# Altium PCB ESP32_LED_Matrix_Completed.PcbDoc (part 2 of 2)
Units mm, origin at the board's own origin, x right, y up, seen from the top; angles counter-clockwise.
Board outline 83 x 52.3 mm, 2 copper layers (Top Layer, Bottom Layer), stack 1.671 mm thick; 168 components, 98 nets, 513 pads, 551 vias.
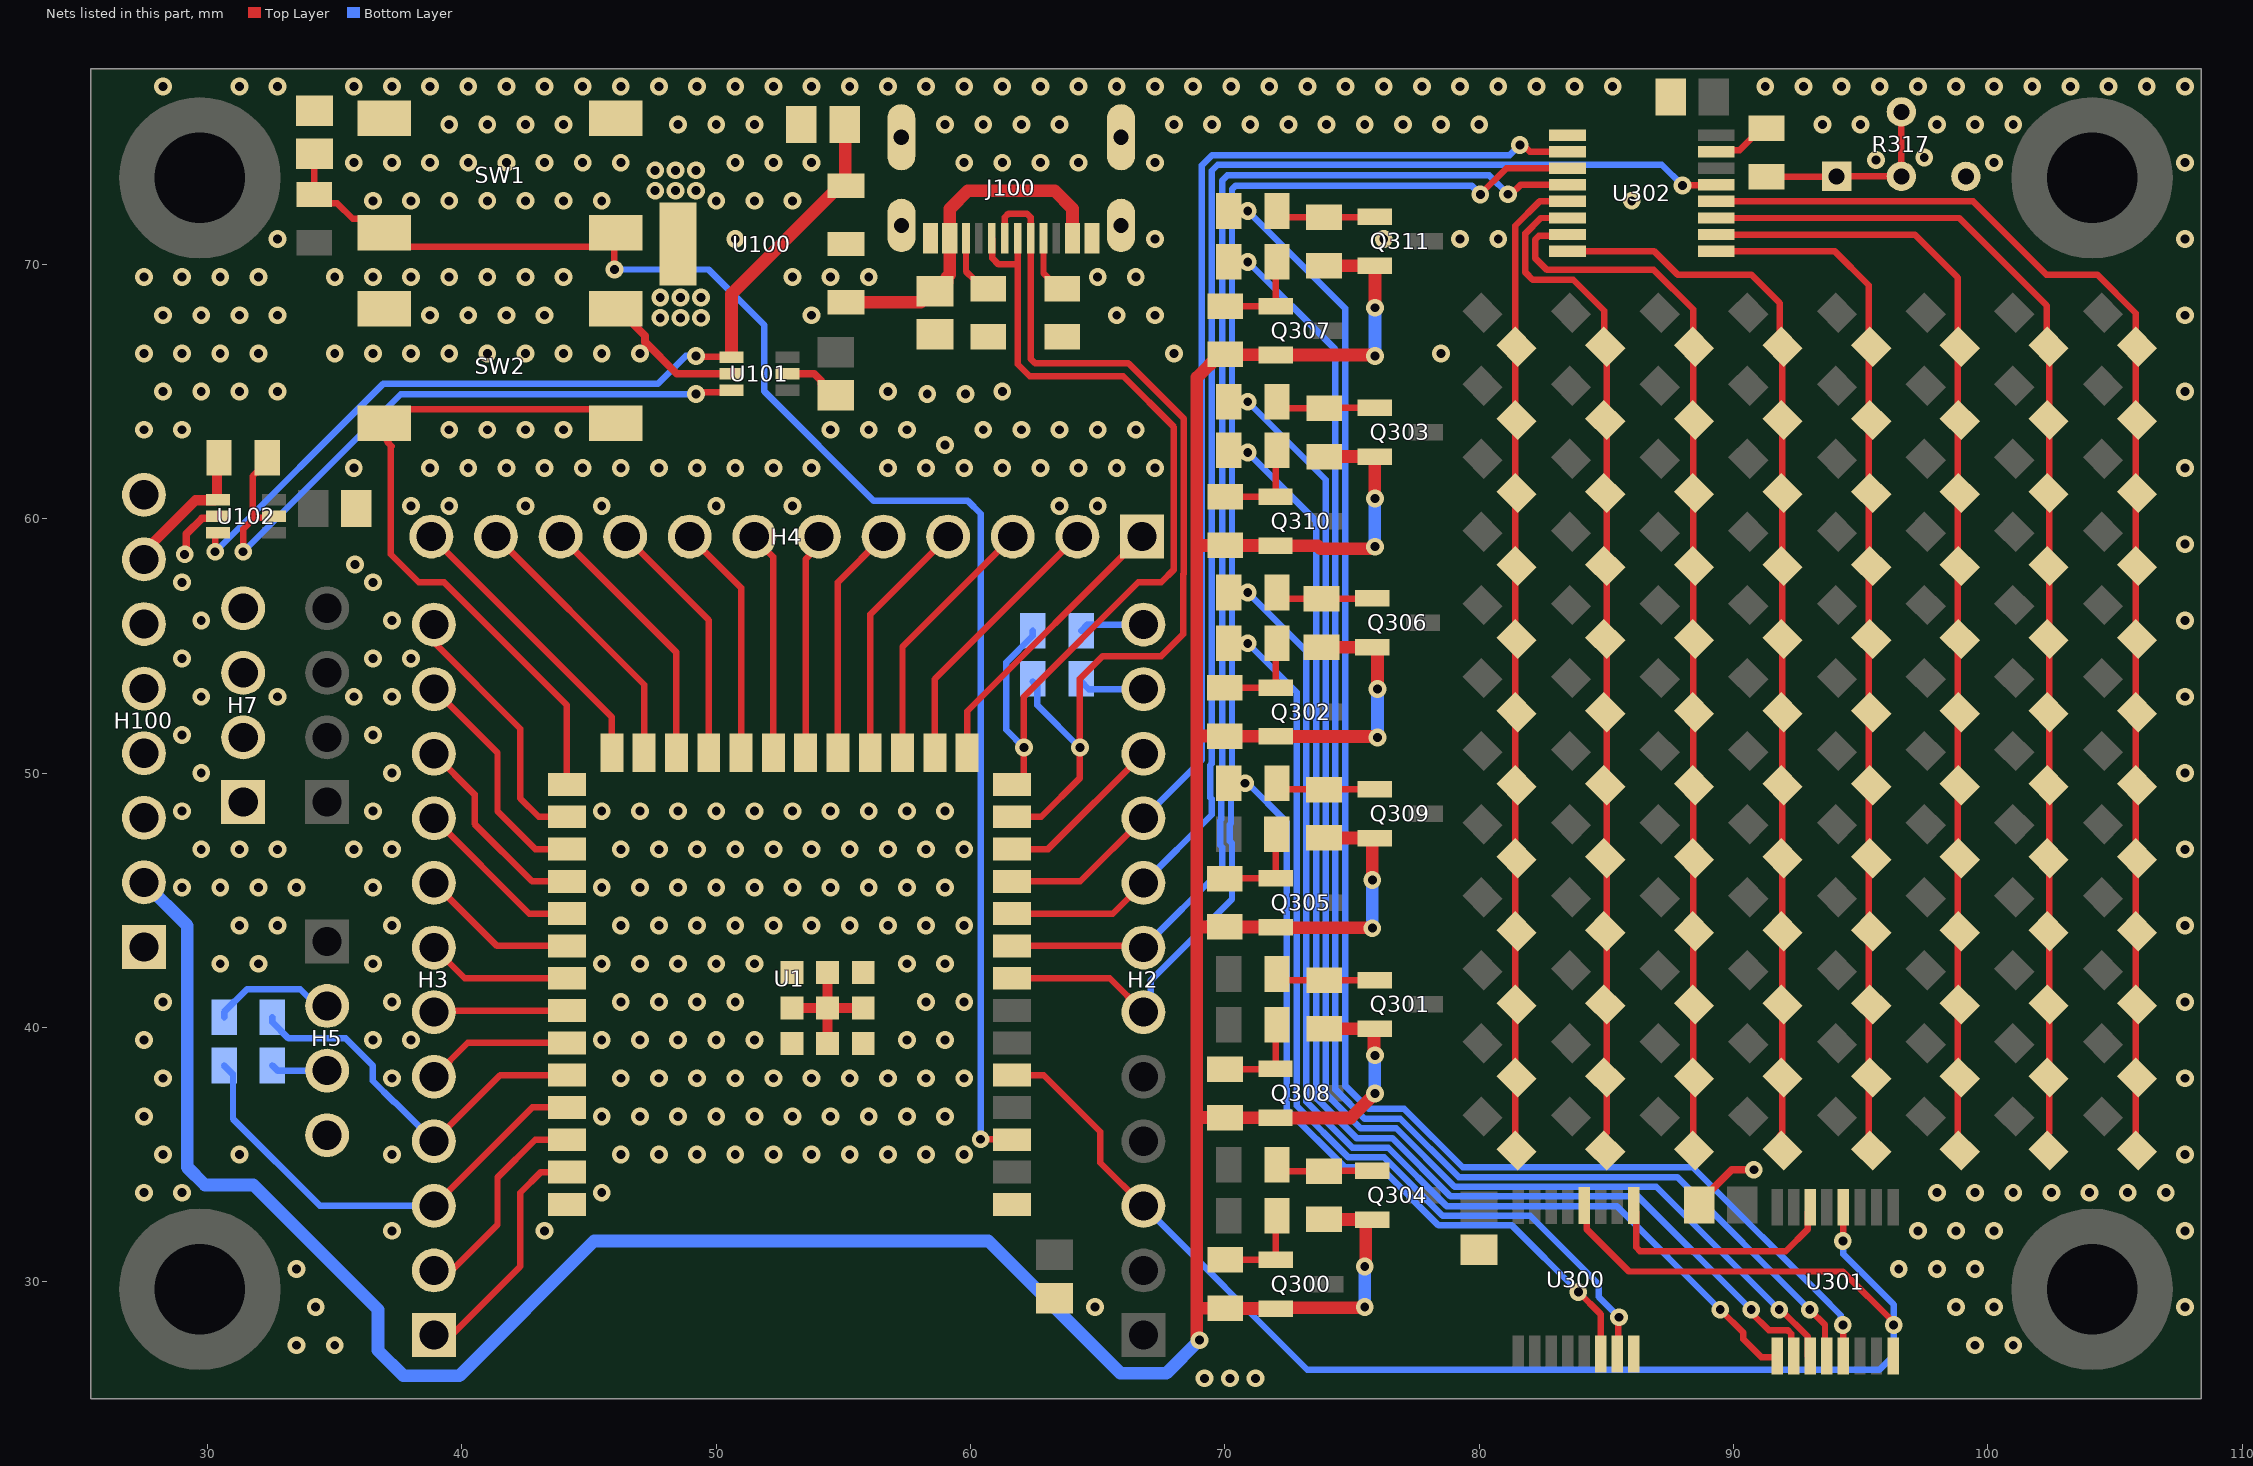
[diagram p2: the nets of this part, all layers, seen from the top]

## Via types
v1: diameter 0.7, hole 0.35, Top Layer to Bottom Layer, tented both sides, 551 vias

## Nets (pads, with @x,y where several pads share a name; then routed paths per layer and width w, separated by ;. In a path a pad name is that pad's centre, name@x,y a point inside that pad or via, vN(x,y) a via of type N, cw(c..) or ccw(c..) an arc to the next point about the centre after c; other vN are vias at no path point) (continued)
COL_SIG5: R323.1 U300.6 | length 31.6
  Top Layer w0.254: R323.1@70.15,49.6 v1(70.8,49.6) ; v1(83.9,29.6) 84.775,28.725 U300.6@84.775,26.975
  Bottom Layer w0.254: v1(70.8,49.6) 70.9,49.6 72.443,48.057 72.443,36.765 74.703,34.505 76.108,34.505 78.403,32.21 81.29,32.21 v1(83.9,29.6)
COL_SIG6: R306.1 U300.7 | length 37.8
  Top Layer w0.254: R306.1@70.15,55.1 v1(70.9,55.1) ; U300.7@85.425,26.975 85.462,27.012 85.462,28.563 v1(85.5,28.6)
  Bottom Layer w0.254: v1(70.9,55.1) 72.824,53.176 72.824,36.923 74.861,34.886 76.266,34.886 78.561,32.591 82.009,32.591 84.7,29.9 84.7,29.4 v1(85.5,28.6)
COL_SIG7: R314.1 U301.1 | length 44.6
  Top Layer w0.254: R314.1@70.15,57.1 v1(70.9,57.1) ; v1(89.479,28.9) 90.393,27.986 90.393,27.74 91.1,27.032 91.627,27.032 91.684,26.975 U301.1@91.725,26.975
  Bottom Layer w0.254: v1(70.9,57.1) 73.205,54.795 73.205,37.081 75.019,35.267 76.424,35.267 78.719,32.972 85.407,32.972 v1(89.479,28.9)
COL_SIG8: R324.1 U301.2 | length 50.9
  Top Layer w0.254: R324.1@70.15,62.7 70.15,62.6 v1(70.9,62.6) ; v1(90.7,28.9) 90.7,28.779 91.383,28.096 92.128,28.096 92.277,27.947 92.277,27.073 U301.2@92.375,26.975
  Bottom Layer w0.254: v1(70.9,62.6) 73.586,59.914 73.586,37.238 75.176,35.648 76.581,35.648 78.876,33.353 86.247,33.353 v1(90.7,28.9)
COL_SIG9: R307.1 U301.3 | length 53
  Top Layer w0.254: R307.1@70.15,64.6 v1(70.9,64.6) ; v1(91.8,28.9) 91.863,28.9 92.927,27.836 92.927,27.073 U301.3@93.025,26.975
  Bottom Layer w0.254: v1(70.9,64.6) 73.967,61.533 73.967,37.396 75.334,36.029 76.739,36.029 79.034,33.734 86.966,33.734 v1(91.8,28.9)
COL_SIG10: R315.1 U301.4 | length 59
  Top Layer w0.254: R315.1@70.15,70.1 v1(70.9,70.1) ; v1(93,28.9) 93.598,28.302 93.598,27.094 U301.4@93.577,27.073
  Bottom Layer w0.254: v1(70.9,70.1) 74.348,66.652 74.348,37.554 75.492,36.41 76.897,36.41 79.192,34.115 87.785,34.115 v1(93,28.9)
COL_SIG11: R325.1 U301.5 | length 61.7
  Top Layer w0.254: R325.1@70.15,72.1 v1(70.9,72.1) ; v1(94.3,28.3) 94.313,28.287 94.313,26.988 U301.5@94.325,26.975
  Bottom Layer w0.254: v1(70.9,72.1) 74.729,68.271 74.729,37.712 75.65,36.791 77.055,36.791 79.35,34.496 88.404,34.496 93.8,29.1 93.8,29.092 94.215,28.677 94.215,28.385 v1(94.3,28.3)
COL_ST_CP: H2.3 U1.5 U300.12 U301.12 | length 61.5
  Top Layer w0.254: U1.5@61.631,38.12 62.88,38.12 65.1,35.9 65.1,34.68 H2.3@66.8,32.98 ; U300.12@84.125,32.825 84.223,32.727 84.223,32.068 85.891,30.4 94.3,30.4 96.3,28.4 v1(96.3,28.3) ; v1(94.3,31.6) 94.313,31.613 94.313,32.812 U301.12@94.325,32.825
  Bottom Layer w0.254: H2.3@66.8,32.98 73.242,26.538 95.738,26.538 96.3,27.1 v1(96.3,28.3) 96.3,29.1 94.313,31.087 94.313,31.587 v1(94.3,31.6)
EXT_SUPP_EN: R102.1 U101.3 U102.5 | length 26.7
  Top Layer w0.254: v1(31.4,58.7) 31.4,59.6 31.835,60.035 ; R102.1@32.35,62.4 32.35,62.2 31.977,61.827 31.92,61.827 31.771,61.678 31.771,60.098 31.835,60.035 ; U102.5@32.5,60.1 32.435,60.035 31.835,60.035 ; v1(49.2,64.9) 49.275,64.975 50.525,64.975 U101.3@50.6,65.05
  Bottom Layer w0.254: v1(31.4,58.7) 37.6,64.9 v1(49.2,64.9)
GND: C2.2 C3.2 C100.2 C101.2 C102.2 C103.2 C300.2 C301.2 C302.2 H5.4 H7.1 H7.2 H7.3 H7.4 H100.1 H100.3 H100.5 H100.6 H100.8 J100.1 J100.2 J100.3 J100.14 J100.15 J100.16 R100.1 R101.1 R317.3 SW1.1 SW1.2 SW2.1 SW2.2 U1.1 U1.40 U1.41 U1.42 U1.43 U1.44 U1.45 U1.46 U1.47 U1.48 U1.49 U100.2 U100.4 U101.2 U101.5 U102.2 U300.8 U301.8 U302.1 | length 18.7
  Top Layer w0.3: v1(29.1,58.6) 29.158,58.658 29.158,59.4 29.783,60.025 30.225,60.025 U102.2@30.3,60.1 ; SW2.2@46.05,68.25 46.139,68.25 47.2,67.189 47.2,66.95 48.45,65.7 U101.2@50.6,65.7 ; U101.5@52.8,65.7 53.85,65.7 54.125,65.425 54.125,65.3 54.575,64.85 C103.2@54.7,64.85 ; C301.2@88.65,33 88.65,33.125 89.925,34.4 v1(90.8,34.4)
  Top Layer w0.4: U1.48@52.981,40.76 U1.41@54.381,40.76 ; U1.42@54.381,39.36 U1.41@54.381,40.76 ; U1.46@54.381,42.16 U1.41@54.381,40.76 ; U1.44@55.781,40.76 U1.41@54.381,40.76
  other v1: 69.2,26.2 70.2,26.2 71.2,26.2 33.5,27.5 35,27.5 99.5,27.5 101,27.5 34.25,29 64.9,29 98.75,29 100.25,29 107.75,29 33.5,30.5 96.5,30.5 98,30.5 99.5,30.5 37.25,32 43.25,32 97.25,32 98.75,32 100.25,32 107.75,32 27.5,33.5 29,33.5 45.5,33.5 98,33.5 99.5,33.5 101,33.5 102.5,33.5 104,33.5 105.5,33.5 107,33.5 28.25,35 31.25,35 37.25,35 46.25,35 47.75,35 49.25,35 50.75,35 52.25,35 53.75,35 55.25,35 56.75,35 58.25,35 59.75,35 107.75,35 27.5,36.5 45.5,36.5 47,36.5 48.5,36.5 50,36.5 51.5,36.5 53,36.5 54.5,36.5 56,36.5 57.5,36.5 59,36.5 28.25,38 37.25,38 46.25,38 47.75,38 49.25,38 50.75,38 52.25,38 53.75,38 55.25,38 56.75,38 58.25,38 59.75,38 107.75,38 27.5,39.5 36.5,39.5 38,39.5 45.5,39.5 47,39.5 48.5,39.5 50,39.5 51.5,39.5 57.5,39.5 59,39.5 28.25,41 37.25,41 46.25,41 47.75,41 49.25,41 50.75,41 58.25,41 59.75,41 107.75,41 30.5,42.5 32,42.5 36.5,42.5 45.5,42.5 47,42.5 48.5,42.5 50,42.5 51.5,42.5 57.5,42.5 59,42.5 31.25,44 32.75,44 37.25,44 46.25,44 47.75,44 49.25,44 50.75,44 52.25,44 53.75,44 55.25,44 56.75,44 58.25,44 59.75,44 107.75,44 29,45.5 30.5,45.5 32,45.5 33.5,45.5 36.5,45.5 45.5,45.5 47,45.5 48.5,45.5 50,45.5 51.5,45.5 53,45.5 54.5,45.5 56,45.5 57.5,45.5 59,45.5 29.75,47 31.25,47 32.75,47 35.75,47 37.25,47 46.25,47 47.75,47 49.25,47 50.75,47 52.25,47 53.75,47 55.25,47 56.75,47 58.25,47 59.75,47 107.75,47 29,48.5 36.5,48.5 45.5,48.5 47,48.5 48.5,48.5 50,48.5 51.5,48.5 53,48.5 54.5,48.5 56,48.5 57.5,48.5 59,48.5 29.75,50 37.25,50 107.75,50 29,51.5 36.5,51.5 29.75,53 32.75,53 35.75,53 37.25,53 107.75,53 29,54.5 36.5,54.5 38,54.5 29.75,56 37.25,56 107.75,56 29,57.5 36.5,57.5 35.8,58.2 107.75,59 38,60.5 39.5,60.5 42.5,60.5 45.5,60.5 50,60.5 53,60.5 63.5,60.5 65,60.5 35.75,62 38.75,62 40.25,62 41.75,62 43.25,62 44.75,62 46.25,62 47.75,62 49.25,62 50.75,62 52.25,62 53.75,62 56.75,62 58.25,62 59.75,62 61.25,62 62.75,62 64.25,62 65.75,62 67.25,62 107.75,62 59,62.9 27.5,63.5 29,63.5 39.5,63.5 41,63.5 42.5,63.5 44,63.5 54.5,63.5 56,63.5 57.5,63.5 60.5,63.5 62,63.5 63.5,63.5 65,63.5 66.5,63.5 58.3,64.9 59.8,64.9 28.25,65 29.75,65 31.25,65 32.75,65 56.75,65 61.25,65 107.75,65 27.5,66.5 29,66.5 30.5,66.5 32,66.5 35,66.5 36.5,66.5 38,66.5 39.5,66.5 41,66.5 42.5,66.5 44,66.5 45.5,66.5 47,66.5 68,66.5 78.5,66.5 47.8,67.9 48.6,67.9 49.4,67.9 28.25,68 29.75,68 31.25,68 32.75,68 38.75,68 40.25,68 41.75,68 43.25,68 53.75,68 65.75,68 67.25,68 107.75,68 47.8,68.7 48.6,68.7 49.4,68.7 27.5,69.5 29,69.5 30.5,69.5 32,69.5 35,69.5 36.5,69.5 38,69.5 39.5,69.5 41,69.5 42.5,69.5 44,69.5 53,69.5 54.5,69.5 56,69.5 65,69.5 66.5,69.5 32.75,71 50.75,71 67.25,71 76.25,71 79.25,71 80.75,71 107.75,71 36.5,72.5 38,72.5 39.5,72.5 41,72.5 42.5,72.5 44,72.5 45.5,72.5 50,72.5 51.5,72.5 53,72.5 86,72.5 47.6,72.9 48.4,72.9 49.2,72.9 47.6,73.7 48.4,73.7 49.2,73.7 35.75,74 37.25,74 38.75,74 40.25,74 41.75,74 43.25,74 44.75,74 46.25,74 50.75,74 52.25,74 53.75,74 59.75,74 61.25,74 62.75,74 64.25,74 67.25,74 100.25,74 107.75,74 95.6,74.1 97.5,74.2 39.5,75.5 41,75.5 42.5,75.5 44,75.5 48.5,75.5 50,75.5 51.5,75.5 59,75.5 60.5,75.5 62,75.5 63.5,75.5 68,75.5 69.5,75.5 71,75.5 72.5,75.5 74,75.5 75.5,75.5 77,75.5 78.5,75.5 80,75.5 93.5,75.5 95,75.5 98,75.5 99.5,75.5 101,75.5 28.25,77 31.25,77 32.75,77 35.75,77 37.25,77 38.75,77 40.25,77 41.75,77 43.25,77 44.75,77 46.25,77 47.75,77 49.25,77 50.75,77 52.25,77 53.75,77 55.25,77 56.75,77 58.25,77 59.75,77 61.25,77 62.75,77 64.25,77 65.75,77 67.25,77 68.75,77 70.25,77 71.75,77 73.25,77 74.75,77 76.25,77 77.75,77 79.25,77 80.75,77 82.25,77 83.75,77 85.25,77 91.25,77 92.75,77 94.25,77 95.75,77 97.25,77 98.75,77 100.25,77 101.75,77 103.25,77 104.75,77 106.25,77 107.75,77
GPIO1: H3.1 U1.39 | length 9.9
  Top Layer w0.254: H3.1@38.9,27.2 42.3,30.6 42.3,33.5 43.11,34.31 U1.39@44.131,34.31
GPIO2: H3.2 U1.38 | length 8.7
  Top Layer w0.254: H3.2@38.9,29.74 41.4,32.24 41.4,34.1 42.88,35.58 U1.38@44.131,35.58
GPIO3: H4.1 U1.15 | length 11.3
  Top Layer w0.254: U1.15@59.866,50.8 59.866,52.426 H4.1@66.74,59.3
GPIO8: H2.10 U1.12 | length 6.7
  Top Layer w0.254: U1.12@61.631,47.01 63.05,47.01 H2.10@66.8,50.76
GPIO9: H4.3 U1.17 | length 10.3
  Top Layer w0.254: U1.17@57.326,50.8 57.326,54.966 H4.3@61.66,59.3
GPIO10: H4.4 U1.18 | length 9.8
  Top Layer w0.254: U1.18@56.056,50.8 56.056,56.236 H4.4@59.12,59.3
GPIO11: H4.5 U1.19 | length 9.2
  Top Layer w0.254: U1.19@54.786,50.8 54.786,57.506 H4.5@56.58,59.3
GPIO12: H4.6 U1.20 | length 8.7
  Top Layer w0.254: U1.20@53.516,50.8 53.516,58.416 54.04,58.94 H4.6@54.04,59.3
GPIO13: H4.7 U1.21 | length 8.8
  Top Layer w0.254: H4.7@51.5,59.3 51.5,59.244 52.246,58.498 U1.21@52.246,50.8
GPIO14: H4.8 U1.22 | length 9.3
  Top Layer w0.254: H4.8@48.96,59.3 50.976,57.284 U1.22@50.976,50.8
GPIO15: H2.6 U1.8 U302.3 | length 53.4
  Top Layer w0.254: U1.8@61.631,41.93 65.47,41.93 H2.6@66.8,40.6 ; v1(80.045,72.755) 81.066,73.775 U302.3@83.475,73.775
  Bottom Layer w0.254: H2.6@66.8,40.6 67.081,40.881 67.081,41.842 70.281,45.042 70.281,47.239 70.196,47.324 70.196,47.974 70.243,48.021 70.243,49.303 70.196,49.35 70.196,49.999 70.281,50.085 70.281,72.951 70.43,73.1 79.7,73.1 v1(80.045,72.755)
GPIO16: H2.7 U1.9 U302.4 | length 50.9
  Top Layer w0.254: U1.9@61.631,43.2 66.74,43.2 H2.7@66.8,43.14 ; v1(81.14,72.76) 81.261,72.76 81.626,73.125 U302.4@83.475,73.125
  Bottom Layer w0.254: H2.7@66.8,43.14 69.9,46.24 69.9,47.081 69.815,47.167 69.815,48.132 69.862,48.179 69.862,49.145 69.815,49.192 69.815,50.157 69.9,50.242 69.9,73.3 70.1,73.5 80.4,73.5 v1(81.14,72.76)
GPIO17: H2.8 U1.10 U302.13 | length 55.1
  Top Layer w0.254: U1.10@61.631,44.47 65.59,44.47 H2.8@66.8,45.68 ; v1(88,73.1) 88.012,73.113 89.313,73.113 U302.13@89.325,73.125
  Bottom Layer w0.254: H2.8@66.8,45.68 69.481,48.361 69.481,48.987 69.434,49.034 69.434,50.315 69.481,50.362 69.481,73.681 69.719,73.919 87.181,73.919 v1(88,73.1)
GPIO18: H2.9 U1.11 U302.2 | length 47.6
  Top Layer w0.254: U1.11@61.631,45.74 64.32,45.74 H2.9@66.8,48.22 ; v1(81.6,74.7) 81.721,74.7 81.996,74.425 U302.2@83.475,74.425
  Bottom Layer w0.254: H2.9@66.8,48.22 69.1,50.52 69.1,73.9 69.5,74.3 81.2,74.3 v1(81.6,74.7)
GPIO19: H2.11 R3.1 | length 2.6
  Bottom Layer w0.254: R3.1@64.35,53.6 64.65,53.3 H2.11@66.8,53.3
GPIO20: H2.12 R4.1 | length 2.5
  Bottom Layer w0.254: R4.1@64.35,55.6 64.59,55.84 H2.12@66.8,55.84
GPIO21: H4.9 U1.23 | length 9.9
  Top Layer w0.254: H4.9@46.42,59.3 49.706,56.014 U1.23@49.706,50.8
GPIO35: H3.12 U1.28 | length 9.7
  Top Layer w0.254: H3.12@38.9,55.14 42.3,51.74 42.3,49 43.02,48.28 U1.28@44.131,48.28
GPIO36: H3.11 U1.29 | length 9.2
  Top Layer w0.254: H3.11@38.9,53.3 41.4,50.8 41.4,48.5 42.89,47.01 U1.29@44.131,47.01
GPIO37: H3.10 U1.30 | length 8
  Top Layer w0.254: H3.10@38.9,50.76 40.5,49.16 40.5,48 42.76,45.74 U1.30@44.131,45.74
GPIO38: H3.9 U1.31 | length 6.8
  Top Layer w0.254: H3.9@38.9,48.22 42.65,44.47 U1.31@44.131,44.47
GPIO39: H3.8 U1.32 | length 6.3
  Top Layer w0.254: H3.8@38.9,45.68 41.38,43.2 U1.32@44.131,43.2
GPIO40: H3.7 U1.33 | length 5.7
  Top Layer w0.254: H3.7@38.9,43.14 40.11,41.93 U1.33@44.131,41.93
GPIO41: H3.6 U1.34 | length 5.3
  Top Layer w0.254: H3.6@38.9,40.6 38.96,40.66 U1.34@44.131,40.66
GPIO42: H3.5 U1.35 | length 5.8
  Top Layer w0.254: H3.5@38.9,38.06 40.23,39.39 U1.35@44.131,39.39
GPIO45: H4.12 U1.26 | length 11.4
  Top Layer w0.254: H4.12@38.8,59.3 45.896,52.204 U1.26@45.896,50.8
GPIO46: H4.2 U1.16 | length 10.8
  Top Layer w0.254: U1.16@58.596,50.8 58.596,53.696 H4.2@64.2,59.3
GPIO47: H4.10 U1.24 | length 10.4
  Top Layer w0.254: H4.10@43.88,59.3 48.436,54.744 U1.24@48.436,50.8
GPIO48: H4.11 U1.25 | length 10.9
  Top Layer w0.254: H4.11@41.34,59.3 47.166,53.474 U1.25@47.166,50.8
MCU_BOOT: SW2.3 SW2.4 U1.27 | length 28.2
  Top Layer w0.254: U1.27@44.131,49.55 44.131,52.669 39.3,57.5 38.3,57.5 37.2,58.6 37.2,62.8 37.246,62.846 37.097,62.995 37.024,63.122 36.95,63.196 SW2.3@36.95,63.75 37.5,64.3 45.5,64.3 SW2.4@46.05,63.75 ; SW2.4@46,63.8 SW2.4@46.6,63.2
MCU_EN: C3.1 R14.2 SW1.3 SW1.4 U1.3 | length 62
  Top Layer w0.254: C3.1@34.2,74.35 R14.2@34.2,72.75 34.54,72.41 35.09,72.41 35.71,71.79 36.41,71.79 SW1.3@36.95,71.25 ; SW1.3@36.3,70.7 45.6,70.7 SW1.4@46,71.1 ; v1(46,69.8) SW1.4@46,71.1 ; SW1.4@46.1,71.2 SW1.4@46,71.1 ; v1(60.4,35.6) 61.611,35.6 U1.3@61.631,35.58
  Bottom Layer w0.254: v1(46,69.8) 49.7,69.8 51.896,67.604 51.896,65.004 56.2,60.7 59.9,60.7 60.4,60.2 v1(60.4,35.6)
NetC101_1: C101.1 J100.4 J100.13 U100.1 | length 13.8
  Top Layer w0.5: U100.1@55.1,68.51 58.035,68.51 58.475,68.95 58.725,68.95 59.075,69.3 59.075,69.49 59.178,69.593 59.178,69.853 59.187,69.862 59.187,72.187 59.9,72.9 63.3,72.9 64.013,72.187 J100.13@64.013,71.025
NetH5_2: H5.2 R1.2 | length 4.9
  Bottom Layer w0.254: R1.2@30.65,40.4 30.65,40.6 31.55,41.5 33.642,41.5 34.302,40.84 H5.2@34.7,40.84 H5.2@34.666,40.806
NetH5_3: H5.3 R2.2 | length 2.2
  Bottom Layer w0.254: R2.2@32.55,38.5 32.75,38.3 H5.3@34.7,38.3
NetJ100_5: J100.5 R100.2 | length 2.5
  Top Layer w0.254: J100.5@59.822,71.025 59.822,69.723 60.122,69.423 60.327,69.423 R100.2@60.7,69.05
NetJ100_11: J100.11 R101.2 | length 2.5
  Top Layer w0.254: J100.11@62.87,71.187 62.87,69.653 63.473,69.05 R101.2@63.6,69.05
NetQ300_1: Q300.1 R300.2 R304.2 | length 3.8
  Top Layer w0.254: R300.2@70,30.85 R300.2@70.01,30.86 Q300.1@72,30.86 72,32.55 R304.2@72.05,32.6
NetQ301_1: Q301.1 R301.2 R305.2 | length 4.1
  Top Layer w0.254: R305.2@72.05,42.1 72,42.05 72.2,41.85 73.8,41.85 73.9,41.85 R301.2@73.905,41.845 ; R301.2@73.71,41.86 Q301.1@75.7,41.86
NetQ302_1: Q302.1 R302.2 R306.2 | length 3.7
  Top Layer w0.254: R302.2@70.01,53.36 Q302.1@72,53.36 R306.2@72,55.05
NetQ303_1: Q303.1 R303.2 R307.2 | length 3.9
  Top Layer w0.254: R307.2@72.15,64.6 72.4,64.35 R303.2@74,64.35 ; R303.2@73.91,64.36 Q303.1@75.9,64.36
NetQ304_1: Q304.1 R308.2 R312.2 | length 3.9
  Top Layer w0.254: R312.2@72.05,34.6 72.3,34.35 R308.2@73.9,34.35 ; R308.2@73.9,34.36 Q304.1@75.8,34.36
NetQ305_1: Q305.1 R309.2 R313.2 | length 3.7
  Top Layer w0.254: R309.2@70.01,45.86 Q305.1@72,45.86 72,47.446 72,47.554 R313.2@72.046,47.6
NetQ306_1: Q306.1 R310.2 R314.2 | length 3.9
  Top Layer w0.254: R314.2@72.05,57.1 72.3,56.85 R310.2@73.9,56.85 ; R310.2@73.81,56.86 Q306.1@75.8,56.86
NetQ307_1: Q307.1 R311.2 R315.2 | length 3.7
  Top Layer w0.254: R311.2@70.01,68.36 72,68.36 R315.2@72,70.05
NetQ308_1: Q308.1 R318.2 R322.2 | length 3.8
  Top Layer w0.254: R318.2@70.01,38.36 Q308.1@72,38.36 ; Q308.1@71.995,38.365 Q308.1@72,38.36 ; R322.2@72.05,40.1 72,40.05 72,39.8 Q308.1@72,38.36
NetQ309_1: Q309.1 R319.2 R323.2 | length 4.1
  Top Layer w0.254: R323.2@72.05,49.6 72.05,49.4 72.09,49.36 R319.2@73.9,49.36 ; R319.2@73.9,49.35 R319.2@73.9,49.36 ; Q309.1@75.9,49.36 R319.2@73.9,49.36
NetQ310_1: Q310.1 R320.2 R324.2 | length 3.9
  Top Layer w0.254: R320.2@70.01,60.86 72,60.86 72,62.65 R324.2@72.05,62.7
NetQ311_1: Q311.1 R321.2 R325.2 | length 3.9
  Top Layer w0.254: R325.2@72.05,72.1 72.29,71.86 Q311.1@75.9,71.86
NetR316_1: R316.1 U302.15 | length 2.4
  Top Layer w0.254: U302.15@89.325,74.425 89.39,74.49 90.24,74.49 91.1,75.35 R316.1@91.3,75.35
NetR316_2: R316.2 R317.1 R317.2 | length 7.8
  Top Layer w0.254: R316.2@91.3,73.45 93.85,73.45 R317.1@94.05,73.45 ; R317.1@94.06,73.46 R317.2@96.6,73.46 R317.2@96.6,76
NetU300_9: U300.9 U301.14 | length 9.5
  Top Layer w0.254: U300.9@86.075,32.825 86.173,32.727 86.173,31.349 86.322,31.2 92.059,31.2 92.927,32.068 92.927,32.727 U301.14@93.025,32.825
ROW0: D200.1 D201.1 D202.1 D203.1 D204.1 D205.1 D206.1 D207.1 D208.1 D209.1 D210.1 D211.1 U302.5 | length 39
  Top Layer w0.254: D200.1@81.472,35.128 81.419,35.181 81.419,66.206 81.525,66.312 81.525,66.875 81.419,66.981 81.419,71.519 82.375,72.475 U302.5@83.475,72.475
ROW1: D212.1 D213.1 D214.1 D215.1 D216.1 D217.1 D218.1 D219.1 D220.1 D221.1 D222.1 D223.1 U302.6 | length 40.9
  Top Layer w0.254: U302.6@84.006,71.825 82.425,71.825 81.819,71.219 81.819,69.681 82.1,69.4 83.7,69.4 84.919,68.181 84.919,66.981 84.972,66.928 85.025,66.875 85.025,63.984 85.025,61.093 85.025,58.202 85.025,55.312 85.025,52.421 85.025,49.53 85.025,46.639 85.025,43.748 85.025,40.857 85.025,37.966 85.025,35.85 84.919,35.744 84.919,35.181 D212.1@84.972,35.128
ROW2: D224.1 D225.1 D226.1 D227.1 D228.1 D229.1 D230.1 D231.1 D232.1 D233.1 D234.1 D235.1 U302.7 | length 42.4
  Top Layer w0.254: U302.7@83.475,71.175 83.42,71.12 82.349,71.12 82.2,70.972 82.2,70.249 82.668,69.781 86.87,69.781 88.419,68.232 88.419,66.981 88.472,66.928 88.525,66.875 88.525,66.312 88.419,66.206 88.419,35.181 D224.1@88.472,35.128
ROW3: D236.1 D237.1 D238.1 D239.1 D240.1 D241.1 D242.1 D243.1 D244.1 D245.1 D246.1 D247.1 U302.8 | length 42.7
  Top Layer w0.254: U302.8@83.475,70.525 86.875,70.525 87.8,69.6 90.7,69.6 91.819,68.481 91.819,66.981 91.872,66.928 91.925,66.875 91.925,58.256 91.925,52.474 91.925,35.85 91.819,35.744 91.819,35.181 D236.1@91.872,35.128
ROW4: D248.1 D249.1 D250.1 D251.1 D252.1 D253.1 D254.1 D255.1 D256.1 D257.1 D258.1 D259.1 U302.9 | length 40.7
  Top Layer w0.254: U302.9@89.325,70.525 93.975,70.525 95.319,69.181 95.319,66.981 95.372,66.928 95.425,66.875 95.425,66.312 95.319,66.206 95.319,64.037 95.319,55.365 95.319,49.583 95.319,35.181 D248.1@95.372,35.128
ROW5: D260.1 D261.1 D262.1 D263.1 D264.1 D265.1 D266.1 D267.1 D268.1 D269.1 D270.1 D271.1 U302.10 | length 44.7
  Top Layer w0.254: U302.10@89.325,71.175 97.125,71.175 98.819,69.481 98.819,66.981 98.872,66.928 98.925,66.875 98.925,66.312 98.819,66.206 98.819,64.037 98.819,55.365 98.819,49.583 98.819,35.181 D260.1@98.872,35.128
ROW6: D272.1 D273.1 D274.1 D275.1 D276.1 D277.1 D278.1 D279.1 D280.1 D281.1 D282.1 D283.1 U302.11 | length 47.8
  Top Layer w0.254: U302.11@89.325,71.825 98.875,71.825 102.319,68.381 102.319,66.981 102.372,66.928 102.425,66.875 102.425,55.365 102.425,49.583 102.425,35.85 102.319,35.744 102.319,35.181 D272.1@102.372,35.128
ROW7: D284.1 D285.1 D286.1 D287.1 D288.1 D289.1 D290.1 D291.1 D292.1 D293.1 D294.1 D295.1 U302.12 | length 51.2
  Top Layer w0.254: U302.12@89.325,72.475 99.425,72.475 102.3,69.6 104.302,69.6 105.819,68.083 105.819,61.013 105.819,52.394 105.819,49.52 105.819,43.774 D284.1@105.819,35.155
UPDI_RX: H3.4 R1.1 U1.36 | length 15.2
  Top Layer w0.254: H3.4@38.9,35.52 41.5,38.12 U1.36@44.131,38.12
  Bottom Layer w0.254: R1.1@32.55,40.4 32.55,40.2 33.187,39.563 35.437,39.563 36.5,38.5 36.5,37.896 37.333,37.063 37.357,37.063 H3.4@38.9,35.52
UPDI_TX: H3.3 R2.1 U1.37 | length 18.4
  Top Layer w0.254: H3.3@38.9,32.98 40.5,34.58 42.77,36.85 U1.37@44.131,36.85
  Bottom Layer w0.254: R2.1@30.65,38.5 31,38.15 31,36.4 34.42,32.98 H3.3@38.9,32.98
USB_D_N: J100.8 J100.10 R3.2 U1.13 | length 38.4
  Top Layer w0.254: J100.8@61.346,71.025 61.346,71.851 61.495,72 62.213,72 62.362,71.851 J100.10@62.362,71.025 62.362,66.287 62.537,66.112 66.211,66.112 68.381,63.942 68.381,57.842 68.365,57.826 68.365,55.465 67.5,54.6 65.2,54.6 64.303,53.703 64.303,49.803 62.78,48.28 U1.13@61.631,48.28
  Bottom Layer w0.254: R3.2@62.45,53.6 62.632,53.418 62.632,52.668 v1(64.3,51)
USB_D_P: J100.7 J100.9 R4.2 U1.14 | length 36.6
  Top Layer w0.254: J100.7@60.838,71.025 60.861,71.002 60.861,70.239 61.1,70 61.854,70 ; U1.14@61.631,49.55 61.777,49.55 62.1,49.873 v1(62.1,51) 62.1,53 66.6,57.5 67.5,57.5 68,58 68,63.604 66,65.604 62.326,65.604 61.854,66.076 61.854,70 ; J100.9@61.854,71.025 61.854,70
  Bottom Layer w0.254: v1(62.1,51) 61.4,51.7 61.4,54.35 62.45,55.4 R4.2@62.45,55.6
USB_SUPP_EN: C102.1 U100.3 U101.1 U102.3 | length 35.2
  Top Layer w0.254: v1(30.3,58.7) U102.3@30.3,59.45 ; v1(49.2,66.4) 49.225,66.375 50.575,66.375 U101.1@50.6,66.35
  Top Layer w0.5: 50.6,66.6 50.6,68.84 54.85,73.09 U100.3@55.1,73.09 55.075,73.115 55.075,75.475 C102.1@55.05,75.5
  Bottom Layer w0.254: v1(30.3,58.7) 36.9,65.3 47.7,65.3 48.8,66.4 v1(49.2,66.4)
V_MCU: H100.7 R102.2 U102.1 | length 5.7
  Top Layer w0.4: H100.7@27.5,58.4 27.5,58.7 29.525,60.725 30.275,60.725 30.3,60.75 30.35,60.75 30.375,60.775 30.375,62.325 R102.2@30.45,62.4
VCC_1: H100.2 Q300.2 Q301.2 Q302.2 Q303.2 Q304.2 Q305.2 Q306.2 Q307.2 Q308.2 Q309.2 Q310.2 Q311.2 R300.1 R301.1 R302.1 R303.1 R308.1 R309.1 R310.1 R311.1 R318.1 R319.1 R320.1 R321.1 | length 173.3
  Top Layer w0.5: v1(69,27.7) 69,27.754 68.9,27.854 68.9,28.95 ; R318.1@69.995,36.455 68.9,36.455 ; R302.1@69.995,51.455 68.9,51.455 ; R318.1@70,36.45 R318.1@70.005,36.445 Q308.2@71.995,36.445 72,36.44 74.946,36.44 v1(75.9,37.395) ; R302.1@70,51.45 70.005,51.445 71.995,51.445 Q302.2@72,51.44 ; Q300.2@72,28.94 Q300.2@71.998,28.942 ; Q307.2@72,66.44 71.995,66.445 70.005,66.445 70,66.45 69.8,66.45 68.9,65.55 68.9,58.95 ; Q307.2@72.003,66.437 v1@75.862,66.437 ; Q302.2@72.1,51.44 v1@75.96,51.44 ; R310.1@73.8,54.95 73.805,54.945 Q306.2@75.795,54.945 Q306.2@75.8,54.94 ; R308.1@73.9,32.45 73.905,32.445 75.795,32.445 Q304.2@75.798,32.442 ; R301.1@73.9,39.95 R301.1@73.905,39.945 75.695,39.945 Q301.2@75.7,39.94 ; R319.1@73.9,47.45 73.905,47.445 75.895,47.445 Q309.2@75.9,47.44 ; R303.1@73.9,62.45 R303.1@73.905,62.445 75.895,62.445 Q303.2@75.9,62.44 v1(75.9,60.8) ; R321.1@73.9,69.95 73.905,69.945 Q311.2@75.895,69.945 Q311.2@75.9,69.94 ; v1(75.5,29) 75.47,28.97 72.025,28.97 Q300.2@71.998,28.942 ; v1(75.5,30.6) 75.538,30.638 75.538,32.365 75.616,32.442 Q304.2@75.798,32.442 ; v1@75.76,43.94 75.74,43.92 72.02,43.92 Q305.2@72,43.94 71.995,43.945 70.005,43.945 R309.1@70,43.95 68.9,43.95 ; Q304.2@75.8,32.44 Q304.2@75.798,32.442 ; v1(75.8,45.8) Q309.2@75.8,47.44 ; Q304.2@75.897,32.442 Q304.2@75.798,32.442 ; v1(75.9,38.9) 75.862,38.938 75.862,39.902 Q301.2@75.9,39.94 ; v1(75.9,58.9) 75.846,58.9 75.768,58.822 73.761,58.822 73.643,58.94 72,58.94 Q310.2@71.995,58.945 70.005,58.945 70,58.95 68.9,58.95 ; v1(75.902,68.298) Q311.2@75.902,69.937 ; v1(76,53.3) Q306.2@76,54.94 ; 68.9,28.95 70,28.95 70.005,28.945 71.995,28.945 Q300.2@71.998,28.942 ; 68.9,28.95 68.9,36.455 ; 68.9,36.455 68.9,43.95 ; 68.9,43.95 68.9,51.455 ; 68.9,51.455 68.9,58.95
  Bottom Layer w0.5: H100.2@27.5,45.7 29.2,44 29.2,34.5 29.9,33.8 31.8,33.8 36.7,28.9 36.7,27.3 37.7,26.3 39.9,26.3 45.2,31.6 60.7,31.6 65.9,26.4 67.7,26.4 v1(69,27.7) ; v1(75.5,29) v1(75.5,30.6) ; v1(75.8,43.9) v1(75.8,45.8) ; v1(75.9,37.395) v1(75.9,38.9) ; v1(75.9,58.9) v1(75.9,60.8) ; v1(75.902,66.397) v1(75.902,68.298) ; v1(76,51.4) v1(76,53.3)
VCC_2: H100.4
pads on no net: J100.6 J100.12 U101.4 U102.4 U300.15 U301.6 U301.7 U301.9 U301.15 U302.14

## Polygon pours and split planes (outlines as drawn)
GND on Bottom Layer "NONET_L-01_P-001" (solid, remove dead copper, pour order 3): 25.7,77.4 25.7,25.7 108,25.7 108.1,25.8 108.1,77.4
GND on Top Layer "NONET_L-01_P-001" (solid, remove dead copper, pour order 1): 25.7,77.4 25.7,25.7 108,25.7 108.1,25.8 108.1,77.4

## Other copper
Top Layer:
  pour cut-out: 66.74,59.3 38.8,59.3 38.8,59.06 38.74,59 66.74,59
  pour cut-out: 66.8,27.9 66.8,55.84 66.56,55.84 66.5,55.9 66.5,27.9
  pour cut-out: 38.9,27.9 38.9,55.84 39.14,55.84 39.2,55.9 39.2,27.9
  pour cut-out: 43.8,25.4 43.8,31.3 62,31.3 62,25.4
  pour cut-out: 106.8,69.5 106.8,34 79.2,34 79.2,69.5
  pour cut-out: 106.8,69.5 106.8,34 79.2,34 79.2,69.5
Bottom Layer:
  pour cut-out: 43.8,25.4 43.8,31.3 62,31.3 62,25.4

## Silkscreen, mask and mechanical layers (free items; w line width, h text height)
Top Overlay:
  lines w0.2: 79.2,34.2 79.2,69.3 106.6,69.3 106.6,34.2 79.2,34.2
  lines w0.3: 26.6,41.8 26.6,41.1 28.2,39.5 28.2,33 ; 26.7,67 33.6,67 ; 29.3,45.9 32.6,42.6 32.6,32.9 ; 32.6,27.4 36.8,27.4 36.8,33.6 36.07,34.33 ; 32.6,31.5 32.6,33.61 33.33,34.34 ; 33.044,45.555 33.044,58.655 ; 33.6,69.5 33.6,64.7 ; 35.7,64.7 33.6,64.7 ; 35.8,70.2 35.2,69.6 26.7,69.6 26.7,64.7 33.6,64.7
  lines w0.4: 29,45.9 29.3,45.9 ; 25.6,25.6 25.6,77.5 108.2,77.5 108.2,25.6 25.6,25.6
  text "USB-C PROGRAMMING" at 66.697,73.543 h1
  text "ROW CONTROL" at 81.757,70.013 h1 r90
  text "RESET" at 27.247,67.446 h1.2
  text "BOOT" at 27.946,65.046 h1.2
  text "45" at 39.34,60.954 h1 r90
  text "48" at 41.88,60.954 h1 r90
  text "47" at 44.42,60.954 h1 r90
  text "21" at 46.96,60.954 h1 r90
  text "14" at 49.5,60.954 h1 r90
  text "13" at 52.04,60.954 h1 r90
  text "12" at 54.58,60.954 h1 r90
  text "11" at 57.12,60.954 h1 r90
  text "10" at 59.54,60.954 h1 r90
  text "9" at 62.14,60.954 h1 r90
  text "46" at 64.74,60.954 h1 r90
  text "32" at 67.34,60.954 h1 r90
  text "20" at 63.379,55.36 h1
  text "35" at 40.554,55.3 h1
  text "ESP32S3 MICROCONTROLLER" at 43.848,53.521 h1.2
  text "19" at 63.546,52.82 h1
  text "36" at 40.554,52.76 h1
  text "8" at 64.379,50.28 h1
  text "37" at 40.554,50.22 h1
  text "18" at 63.546,47.74 h1
  text "38" at 40.554,47.68 h1
  text "GND" at 29.754,45.954 h1.02
  text "3.3" at 33.554,45.954 h1.02
  text "17" at 63.546,45.2 h1
  text "39" at 40.554,45.14 h1
  text "16" at 63.546,42.66 h1
  text "40" at 40.554,42.6 h1
  text "GND" at 29.501,41.6 h0.9
  text "3.3" at 29.651,40.4 h0.9
  text "15" at 63.546,40.12 h1
  text "41" at 40.554,40.06 h1
  text "GND" at 29.501,39.2 h0.9
  text "GND" at 29.501,38 h0.9
  text "7" at 64.379,37.58 h1
  text "42" at 40.554,37.52 h1
  text "LED MATRIX - 8 ROWS 12 COLUMNS" at 107.9,37.038 h1 r90
  text "+B" at 30.4,36.8 h0.9
  text "GND" at 29.501,35.6 h0.9
  text "RX" at 40.554,35.1 h1
  text "6" at 64.379,35.04 h1
  text "+A" at 30.4,34.4 h0.9
  text "GND" at 29.501,33.2 h0.9
  text "3.3" at 33.551,32.9 h0.9
  text "TX" at 40.554,32.5 h1
  text "5" at 64.379,32.5 h1
  text "RX" at 33.926,31.7 h0.9
  text "TX" at 33.926,30.5 h0.9
  text "2" at 40.554,29.9 h1
  text "GND" at 33.476,29.3 h0.9
  text "UART" at 33.101,27.8 h0.9
  text "1" at 40.554,27.3 h1
  text "COL CONTROL" at 100.457,26.413 h1 r90
Bottom Overlay:
  drawing of 26 lines, arcs and shapes, not listed
  text "JLCJLCJLCJLC" at 52.7,74.8 h1.02
  text "G" at 29.446,60.354 h1.02
  text "+3.3V" at 33.346,57.754 h1.02
  text "G" at 29.446,55.274 h1.02
  text "G" at 29.446,52.734 h1.02
  text "+B" at 30.446,50.354 h1.02
  text "G" at 29.446,47.654 h1.02
  text "+A" at 30.446,45.254 h1.02
  text "G" at 29.446,42.574 h1.02
  text "JANUARY 2025" at 76.36,32.56 h1.4 r270
  text "SCHEMATIC DESIGN AND PCB LAYOUT BY: / ADRIAN SUCAHYO" at 80.1,32.4 h1.5 r270
  text "ESP32 LED MATRIX BOARD V1.0" at 92.1,31.4 h2.5 r270
  text "DESIGNED FOR THE UNIVERSITY OF UTAH IEEE X FSAE ALTIUM WORKSHOP" at 69.5,28.8 h1.27 r270